# Altium PCB waffling80-MX-north.PcbDoc (part 1 of 3) (continued)
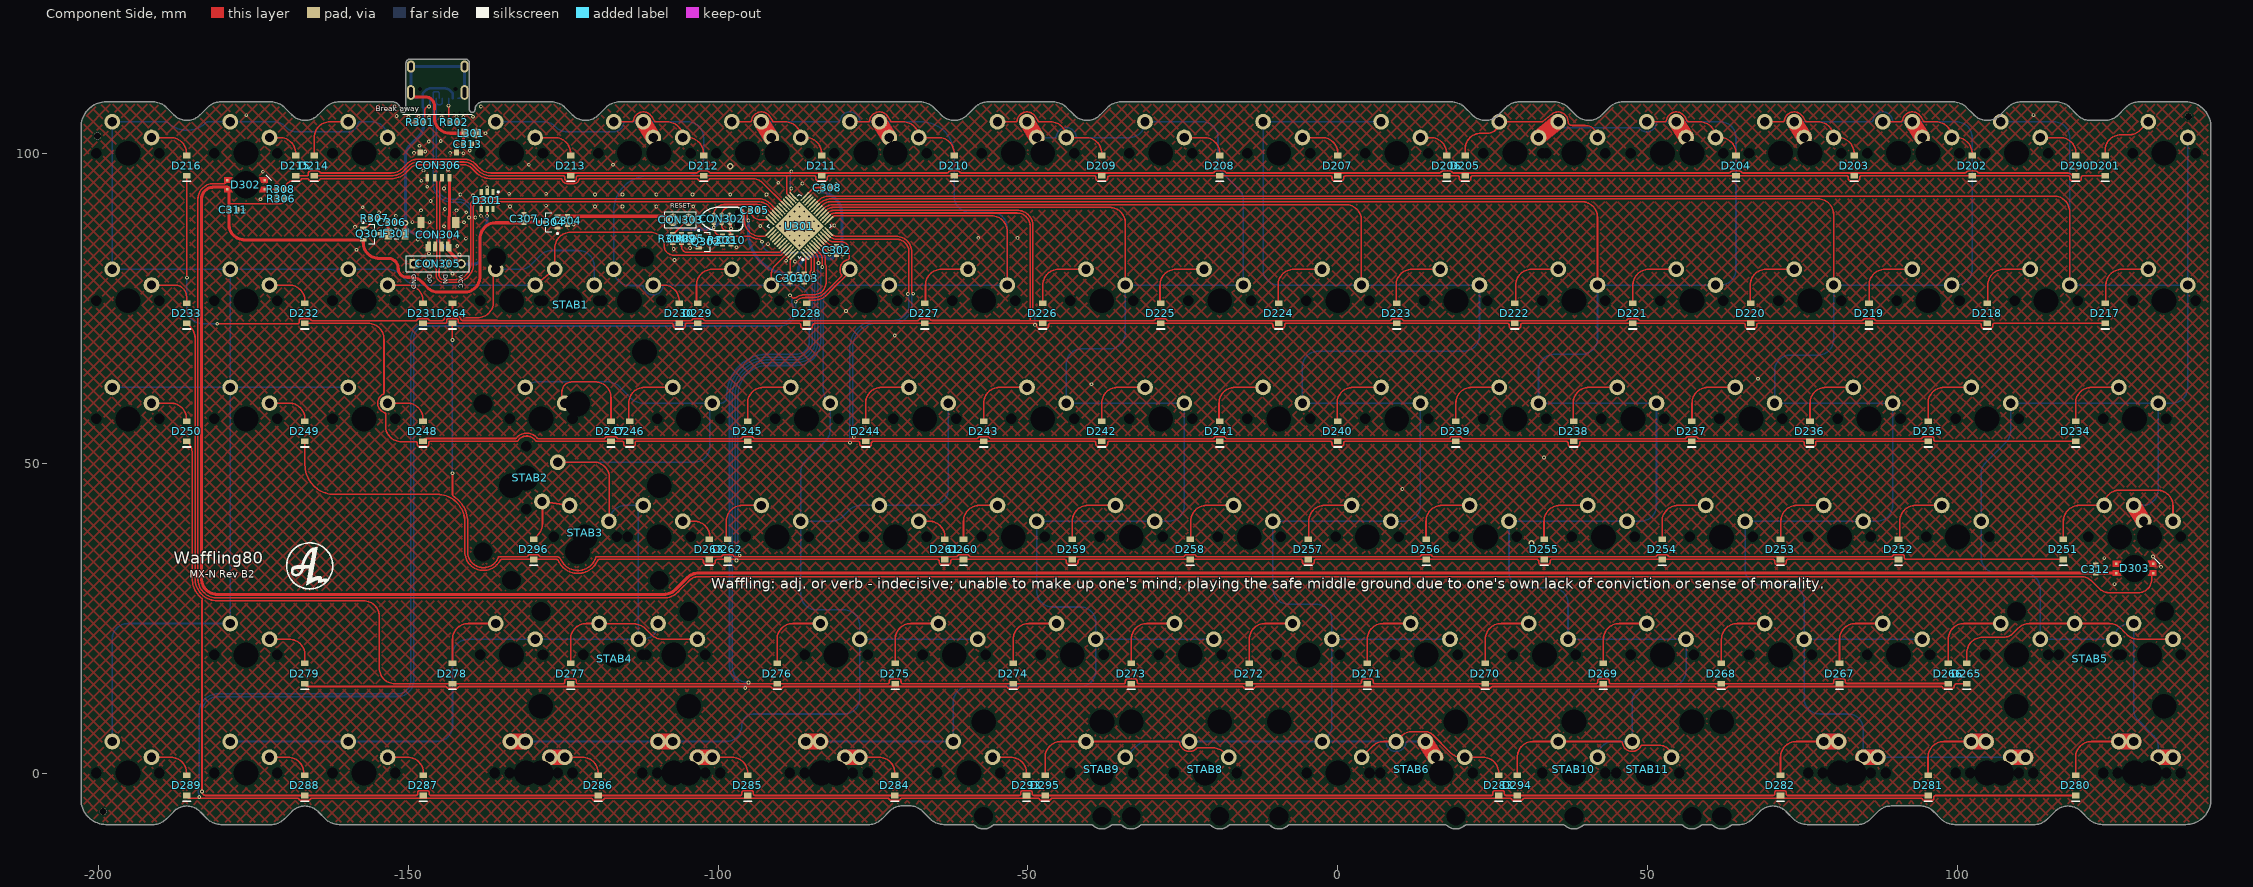
[diagram p0: Component Side view]
## Components (designator, comment, footprint, x,y, rotation, side; value= is the part's Value field where it differs from the comment) (continued)
S215 "MX" MX-switch#2 -176.213,100.012 r180 bottom locked
S216 "MX" MX-switch#2 -195.262,100.012 r180 bottom locked
S217 "MX" "MX-switch - switched pol"#1 133.349,76.2 r180 bottom locked
S218 "MX" "MX-switch - switched pol"#1 114.299,76.2 r180 bottom locked
S219 "MX" "MX-switch - switched pol"#1 95.249,76.2 r180 bottom locked
S220 "MX" "MX-switch - switched pol"#1 76.199,76.2 r180 bottom locked
S221 "MX" "MX-switch - switched pol"#1 57.149,76.2 r180 bottom locked
S222 "MX" "MX-switch - switched pol"#1 38.099,76.2 r180 bottom locked
S223 "MX" "MX-switch - switched pol"#1 19.049,76.2 r180 bottom locked
S224 "MX" "MX-switch - switched pol"#1 -0.001,76.2 r180 bottom locked
S225 "MX" "MX-switch - switched pol"#1 -19.051,76.2 r180 bottom locked
S226 "MX" "MX-switch - switched pol"#1 -38.101,76.2 r180 bottom locked
S227 "MX" "MX-switch - switched pol"#1 -57.151,76.2 r180 bottom locked
S228 "MX" "MX-switch - switched pol"#1 -76.201,76.2 r180 bottom locked
S229 "MX" "MX-switch - switched pol"#1 -95.251,76.2 r180 bottom locked
S230 "MX" MX-switch#2 -114.301,76.2 r180 bottom locked
S231 "MX" MX-switch#2 -157.162,76.2 r180 bottom locked
S232 "MX" MX-switch#2 -176.213,76.2 r180 bottom locked
S233 "MX" MX-switch#2 -195.262,76.2 r180 bottom locked
S234 "MX" "MX-switch - switched pol"#1 128.587,57.15 r180 bottom locked
S235 "MX" "MX-switch - switched pol"#1 104.774,57.15 r180 bottom locked
S236 "MX" "MX-switch - switched pol"#1 85.724,57.15 r180 bottom locked
S237 "MX" "MX-switch - switched pol"#1 66.674,57.15 r180 bottom locked
S238 "MX" "MX-switch - switched pol"#1 47.624,57.15 r180 bottom locked
S239 "MX" "MX-switch - switched pol"#1 28.574,57.15 r180 bottom locked
S240 "MX" "MX-switch - switched pol"#1 9.524,57.15 r180 bottom locked
S241 "MX" "MX-switch - switched pol"#1 -9.526,57.15 r180 bottom locked
S242 "MX" "MX-switch - switched pol"#1 -28.576,57.15 r180 bottom locked
S243 "MX" "MX-switch - switched pol"#1 -47.626,57.15 r180 bottom locked
S244 "MX" "MX-switch - switched pol"#1 -66.676,57.15 r180 bottom locked
S245 "MX" "MX-switch - switched pol"#1 -85.726,57.15 r180 bottom locked
S246 "MX" "MX-switch - switched pol"#1 -104.776,57.15 r180 bottom locked
S247 "MX" "MX-switch - 1.5U" -128.588,57.15 r180 bottom locked
S248 "MX" MX-switch#2 -157.162,57.15 r180 bottom locked
S249 "MX" MX-switch#2 -176.213,57.15 r180 bottom locked
S250 "MX" MX-switch#2 -195.262,57.15 r180 bottom locked
S251 "MX" "MX-switch - CAPS" 126.206,38.1 r180 bottom locked
S252 "MX" "MX-switch - switched pol"#1 100.012,38.1 r180 bottom locked
S253 "MX" "MX-switch - switched pol"#1 80.962,38.1 r180 bottom locked
S254 "MX" "MX-switch - switched pol"#1 61.912,38.1 r180 bottom locked
S255 "MX" "MX-switch - switched pol"#1 42.862,38.1 r180 bottom locked
S256 "MX" "MX-switch - switched pol"#1 23.812,38.1 r180 bottom locked
S257 "MX" "MX-switch - switched pol"#1 4.762,38.1 r180 bottom locked
S258 "MX" "MX-switch - switched pol"#1 -14.288,38.1 r180 bottom locked
S259 "MX" "MX-switch - switched pol"#1 -33.338,38.1 r180 bottom locked
S260 "MX" "MX-switch - switched pol"#1 -52.388,38.1 r180 bottom locked
S261 "MX" MX-switch#2 -71.438,38.1 r180 bottom locked
S262 "MX" "MX-switch - switched pol"#1 -90.488,38.1 r180 bottom locked
S263 "MX" MX-switch#2 -109.538,38.1 r180 bottom locked
S264 "MX" "MX-switch - switched pol"#1 -123.826,76.2 r180 bottom locked
S264_1 "MX" MX-switch#2 -133.351,76.2 r180 bottom locked
S265 "MX" "MX-switch - switched pol"#1 121.443,19.05 r180 bottom locked
S265_1 "MX" MX-switch#2 130.968,19.05 r180 bottom locked
S266 "MX" "MX-switch - switched pol"#1 109.539,19.05 r180 bottom locked
S267 "MX" "MX-switch - switched pol"#1 90.487,19.05 r180 bottom locked
S268 "MX" "MX-switch - switched pol"#1 71.437,19.05 r180 bottom locked
S269 "MX" "MX-switch - switched pol"#1 52.387,19.05 r180 bottom locked
S270 "MX" "MX-switch - switched pol"#1 33.337,19.05 r180 bottom locked
S271 "MX" "MX-switch - switched pol"#1 14.287,19.05 r180 bottom locked
S272 "MX" "MX-switch - switched pol"#1 -4.763,19.05 r180 bottom locked
S273 "MX" "MX-switch - switched pol"#1 -23.813,19.05 r180 bottom locked
S274 "MX" "MX-switch - switched pol"#1 -42.862,19.05 r180 bottom locked
S275 "MX" "MX-switch - switched pol"#1 -61.913,19.05 r180 bottom locked
S276 "MX" "MX-switch - switched pol"#1 -80.963,19.05 r180 bottom locked
S277 "MX" "MX-switch - switched pol"#1 -116.682,19.05 r180 bottom locked
S277_1 "MX" MX-switch#2 -107.157,19.05 r180 bottom locked
S278 "MX" "MX-switch - switched pol"#1 -133.351,19.05 r180 bottom locked
S279 "MX" MX-switch#2 -176.213,19.05 r180 bottom locked
S280 "MX" "MX-switch - 1.5u MOD-L" 128.587,0 r180 bottom locked
S281 "MX" "MX-switch - 1u MOD-L" 104.775,0 r180 bottom locked
S282 "MX" "MX-switch - 1.5u MOD-L" 80.962,0 r180 bottom locked
S283 "MX" MX-switch#2 16.676,0 r180 bottom locked
S283_1 "MX" MX-switch#2 0.032,0 r180 bottom locked
S283_2 "MX" "MX-switch - switched pol"#2 11.938,0 r180 bottom locked
S284 "MX" "MX-switch - 1.5u MOD-R" -80.962,0 r180 bottom locked
S285 "MX" "MX-switch - 1u MOD-R" -104.775,0 r180 bottom locked
S286 "MX" "MX-switch - 1.5u MOD-R" -128.588,0 r180 bottom locked
S287 "MX" MX-switch#2 -157.162,0 r180 bottom locked
S288 "MX" MX-switch#2 -176.213,0 r180 bottom locked
S289 "MX" MX-switch#2 -195.262,0 r180 bottom locked
S290 "MX" MX-switch#2 109.537,100.012 r180 bottom locked
S293 "MX" MX-switch#2 -59.532,0 r180 bottom locked
S294 "MX" MX-switch#2 38.1,0 r180 bottom locked
S294_2 "MX" MX-switch#2 50.038,0 r180 bottom locked
S295 "MX" MX-switch#2 -38.1,0 r180 bottom locked
S295_2 "MX" MX-switch#2 -21.4,0 r180 bottom locked
S296 "MX" "MX-switch - switched pol"#1 -121.439,38.094 r180 bottom locked
S296_1 "MX" MX-switch#2 -130.968,47.624 r90 bottom locked
STAB1 "Plug" "Stab 2u" -123.826,76.2 r0 top locked
STAB2 "Plug" "Stab 2u" -130.968,47.624 r90 top locked
STAB3 "Plug" "Stab 2u" -121.444,38.099 r180 top locked
STAB4 "Plug" "Stab 2u" -116.682,19.05 r0 top locked
STAB5 "Plug" "Stab 2u" 121.443,19.05 r0 top locked
STAB6 "Plug" "Stab 6.25U" 11.938,0 r180 top locked
STAB8 "Plug" "Stab 2u" -21.4,0 r180 top
STAB9 "Plug" "Stab 3u" -38.1,0 r180 top
STAB10 "Plug" "Stab 3u" 38.1,0 r180 top locked
STAB11 "Plug" "Stab 2u" 50.038,0 r180 top locked
U301 "STM32F072/F303_LQFP48" "STM32 - COMBO 7X7MM" -86.894,88.262 r45 top
U304 "XC6206P332MR" SOT-23-3 -127.119,88.9 r0 top

## Footprints (in the part's own frame and the unit in brackets; to place one, negate y for a bottom-side part, rotate by r counter-clockwise, add the part's x,y. Pads: shape width x height; smd on the part's side, far side on the other; paste and mask are expansions set on the pad)
C0603[1608] [mm] "Chip Resistor, 2-Leads, Body 1,57x0,80mm, IPC Medium Density"
  rect 0.8x0.85 smd: 1(-0.65,0) 2(0.65,0)
  body extent -0.83,-0.43 0.82,0.43, height 0.5
C1206[3216] [mm]
  rect 1.2x1.8 smd: 1(-1.35,0) 2(1.35,0)
  silkscreen extent -0.35,-0.8 0.35,0.8, body extent -1.6,-0.9 1.6,0.9, height 1.2
HDR1X2 [mm] "Connector; Header; 2 Position"
  round 2 hole 0.9 mask+0.102: 1(0,0) 2(2.54,0)
  silkscreen extent -1.27,-1.27 3.81,1.27
HDR1X4 [mm] "Connector; Header; 4 Position"
  round 1.5 hole 0.9 mask+0.102: 1(0,0) 2(2.54,0) 3(5.08,0)
  rect 1.5x1.5 hole 0.9 mask+0.102: 4(7.62,0)
  silkscreen extent -1.27,-1.27 8.89,1.27
L0805 [mm] "based on Sunlord-GZ2012D101TF_C1015 datasheet"
  rect 1.16x1.47 smd: 1(-0.92,0) 2(0.92,0)
  body extent -1.15,-0.72 1.15,0.72, height 1.02
"Molex 781710004" [mm]
  rect 0.6x1.2 smd: 1(-1.8,2.2) 2(-0.6,2.2) 3(0.6,2.2) 4(1.8,2.2)
  rect 0.85x1 smd: 5(-2.94,-1.887) 5(2.94,-1.887)
  body extent -3.3,-2.05 3.3,2.48, height 1.5
MX-switch#1 [mm]
  round 2.54 hole 1.5 mask+0.102: 1(-3.81,2.54) 2(2.54,5.08)
  round 1 hole 1.7 unplated: ""(-5.08,0)
  round 1 hole 4 unplated: ""(0,0)
MX-switch#2 [mm]
  round 2.54 hole 1.5 mask+0.102: 1(-3.81,2.54) 2(2.54,5.08)
  round 1 hole 1.7 unplated: ""(-5.08,0) ""(5.08,0)
  round 1 hole 4 unplated: ""(0,0)
"MX-switch - 1.5U" [mm]
  round 2.54 hole 1.5 mask+0.102: 1(-3.81,2.54) 2(2.54,5.08)
  round 1 hole 1.7 unplated: ""(-5.08,0) ""(5.08,0)
  round 1 hole 4 unplated: ""(0,0)
  round 1 on Mech14: ""(0,0)
"MX-switch - 1.5u MOD-L" [mm]
  round 2.54 hole 1.5 mask+0.102: 1(-6.191,2.54) 1(-3.81,2.54) 2(0.159,5.08) 2(2.54,5.08)
  round 1 hole 1.7 unplated: ""(-7.461,0) ""(-5.08,0) ""(2.699,0) ""(5.08,0)
  round 1 on Mech14: ""(-4.763,0) ""(-2.381,0) ""(0,0) ""(4.763,0)
  round 1 hole 4 unplated: ""(-2.381,0) ""(0,0)
"MX-switch - 1.5u MOD-R" [mm]
  round 2.54 hole 1.5 mask+0.102: 1(-3.81,2.54) 1(-1.429,2.54) 2(2.54,5.08) 2(4.921,5.08)
  round 1 hole 1.7 unplated: ""(-5.08,0) ""(-2.699,0) ""(5.08,0) ""(7.461,0)
  round 1 on Mech14: ""(-2.381,0) ""(0,0) ""(2.381,0) ""(4.763,0)
  round 1 hole 4 unplated: ""(0,0) ""(2.381,0)
"MX-switch - 1u MOD-L" [mm]
  round 2.54 hole 1.5 mask+0.102: 1(-6.191,2.54) 1(-3.81,2.54) 2(0.159,5.08)
  round 2.54 hole 1.499 mask+0.102: 2(2.54,5.08)
  round 1 hole 1.7 unplated: ""(-7.461,0) ""(-5.08,0) ""(2.699,0) ""(5.08,0)
  round 1 hole 4 unplated: ""(-2.381,0) ""(0,0)
  round 1 on Mech14: ""(-2.381,0) ""(0,0) ""(2.381,0)
"MX-switch - 1u MOD-R" [mm]
  round 2.54 hole 1.5 mask+0.102: 1(-3.81,2.54) 1(-1.429,2.54) 2(2.54,5.08) 2(4.921,5.08)
  round 1 hole 1.7 unplated: ""(-5.08,0) ""(-2.699,0) ""(5.08,0) ""(7.461,0)
  round 1 on Mech14: ""(-4.763,0) ""(-2.381,0) ""(0,0) ""(2.381,0)
  round 1 hole 4 unplated: ""(0,0) ""(2.381,0)
"MX-switch - CAPS" [mm]
  round 2.54 hole 1.5 mask+0.102: 1(-8.572,2.54) 1(2.54,5.08) 2(-3.81,2.54) 2(-2.222,5.08)
  round 1 hole 1.7 unplated: ""(-9.842,0) ""(5.08,0)
  round 1 hole 4 unplated: ""(-4.763,0) ""(0,0)
  round 1 on Mech14: ""(-4.763,0) ""(0,0)
"MX-switch - switched pol"#1 [mm]
  round 2.54 hole 1.5 mask+0.102: 1(2.54,5.08) 2(-3.81,2.54)
  round 1 hole 1.7 unplated: ""(-5.08,0) ""(5.08,0)
  round 1 hole 4 unplated: ""(0,0)
"MX-switch - switched pol"#2 [mm]
  round 2.54 hole 1.5 mask+0.102: 1(2.54,5.08) 2(-3.81,2.54)
  round 1 hole 4 unplated: ""(0,0)
  round 1 hole 1.7 unplated: ""(5.08,0)
R0603[1608] [mm] "Chip Resistor, 2-Leads, Body 1,57x0,80mm, IPC Medium Density"
  rect 0.8x0.85 smd: 1(-0.65,0) 2(0.65,0)
  body extent -0.83,-0.43 0.82,0.43, height 0.5
"SK6812MINI-E - shaped" [mm]
  rect 0.4x0.4 smd: 1(3,0.75) 2(3,-0.75) 3(-3,-0.75) 4(-3,0.75)
  round 1 hole 4.4 unplated: ""(0,0)
  Component Side region: -3.5,0.304 -3.5,1.195 -2.157,1.195 -2.345,0.764 -2.447,0.304 -2.447,0.304 -2.449,0.304
  Component Side region: 2.447,0.304 2.345,0.764 2.157,1.195 2.157,1.195 3.5,1.195 3.5,0.304
  Component Side region: 2.157,-1.195 3.5,-1.195 3.5,-0.304 2.449,-0.304 2.447,-0.304 2.345,-0.764 2.157,-1.195
  Component Side region: -3.25,-1.195 -3.5,-0.945 -3.5,-0.304 -2.449,-0.304 -2.447,-0.304 -2.345,-0.764 -2.157,-1.195 -2.157,-1.195
  silkscreen extent -4.06,-1.65 -3.17,-0.76, body extent -2.94,-1.4 2.94,1.4, height 0.94
SOD-123 [mm]
  rect 0.91x1.22 smd: 1(1.635,0) 2(-1.635,0)
  silkscreen extent -2.54,-0.64 -2.54,0.63, body extent -1.87,-0.85 1.88,0.85, height 1.2
SOT-23-3 [mm] "3.3v regulator, used in Windsond S2 proto 1"
  rect 1x0.55 smd: 1(1.2,-0.95) 2(1.2,0.95) 3(-1.2,0)
  silkscreen extent -0.7,-1.95 1.32,1.55, body extent -1.1,-1.5 1.45,1.5, height 1
SOT-23-6 [mm]
  rect 1x0.55 smd: 1(1.375,-0.95) 2(1.375,0) 3(1.375,0.95) 4(-1.375,0.95) 5(-1.375,0) 6(-1.375,-0.95)
  silkscreen extent -0.46,-1.93 1.5,1.55, body extent -1.47,-1.49 1.37,1.44, height 1.05
"Stab 2u" [mil]
  round 60 hole 157.01 unplated: ""(-470,-325) ""(470,-325)
  round 60 hole 120 unplated: ""(-470,275) ""(470,275)
  round 39.37 on Mech13: ""(0,0) ""(0,0)
"Stab 3u" [mil]
  round 60 hole 157.01 unplated: ""(-750,-325) ""(750,-325)
  round 60 hole 120 unplated: ""(-750,275) ""(750,275)
  round 39.37 on Mech13: ""(0,0) ""(0,0)
"Stab 6.25U" [mil]
  round 60 hole 157.01 unplated: ""(-1968.5,-325) ""(1968.5,-325)
  round 60 hole 120 unplated: ""(-1968.5,275) ""(1968.5,275)
  round 39.37 on Mech13: ""(0,0)
"STM32 - COMBO 7X7MM" [mm] "LQFP48, 7x7mm"
  oval 0.3x1.45 smd paste-5: 1(-2.75,-4.225) 2(-2.25,-4.225) 3(-1.75,-4.225) 4(-1.25,-4.225) 5(-0.75,-4.225) 6(-0.25,-4.225) 7(0.25,-4.225) 8(0.75,-4.225) 9(1.25,-4.225) 10(1.75,-4.225) 11(2.25,-4.225) 12(2.75,-4.225) 25(2.75,4.225) 26(2.25,4.225) 27(1.75,4.225) 28(1.25,4.225) 29(0.75,4.225) 30(0.25,4.225) 31(-0.25,4.225) 32(-0.75,4.225) 33(-1.25,4.225) 34(-1.75,4.225) 35(-2.25,4.225) 36(-2.75,4.225)
  oval 0.25x0.8 smd: 1(-2.75,-3.4) 2(-2.25,-3.4) 3(-1.75,-3.4) 4(-1.25,-3.4) 5(-0.75,-3.4) 6(-0.25,-3.4) 7(0.25,-3.4) 8(0.75,-3.4) 9(1.25,-3.4) 10(1.75,-3.4) 11(2.25,-3.4) 12(2.75,-3.4) 25(2.75,3.4) 26(2.25,3.4) 27(1.75,3.4) 28(1.25,3.4) 29(0.75,3.4) 30(0.25,3.4) 31(-0.25,3.4) 32(-0.75,3.4) 33(-1.25,3.4) 34(-1.75,3.4) 35(-2.25,3.4) 36(-2.75,3.4)
  oval 0.8x0.25 smd: 13(3.4,-2.75) 14(3.4,-2.25) 15(3.4,-1.75) 16(3.4,-1.25) 17(3.4,-0.75) 18(3.4,-0.25) 19(3.4,0.25) 20(3.4,0.75) 21(3.4,1.25) 22(3.4,1.75) 23(3.4,2.25) 24(3.4,2.75) 37(-3.4,2.75) 38(-3.4,2.25) 39(-3.4,1.75) 40(-3.4,1.25) 41(-3.4,0.75) 42(-3.4,0.25) 43(-3.4,-0.25) 44(-3.4,-0.75) 45(-3.4,-1.25) 46(-3.4,-1.75) 47(-3.4,-2.25) 48(-3.4,-2.75)
  oval 1.45x0.3 smd paste-5: 13(4.225,-2.75) 14(4.225,-2.25) 15(4.225,-1.75) 16(4.225,-1.25) 17(4.225,-0.75) 18(4.225,-0.25) 19(4.225,0.25) 20(4.225,0.75) 21(4.225,1.25) 22(4.225,1.75) 23(4.225,2.25) 24(4.225,2.75) 37(-4.225,2.75) 38(-4.225,2.25) 39(-4.225,1.75) 40(-4.225,1.25) 41(-4.225,0.75) 42(-4.225,0.25) 43(-4.225,-0.25) 44(-4.225,-0.75) 45(-4.225,-1.25) 46(-4.225,-1.75) 47(-4.225,-2.25) 48(-4.225,-2.75)
  rect 5.6x5.6 smd: 47(0,0)
  silkscreen extent -3.65,-4.35 3.65,3.65, body extent -3.52,-3.52 3.52,3.52, height 0.5
TC2030-IDC-NL [mm] "Tag-Connect 6-Pin with No Legs (PN# TC2030-IDC-NL)"
  round 0.9 hole 0.995 unplated: 0(-2.54,0) 0(2.54,-1.016) 0(2.54,1.016)
  round 0.79 smd paste-0.39: 1(-1.27,-0.635) 2(-1.27,0.635) 3(0,-0.635) 4(0,0.635) 5(1.35,-0.635) 6(1.27,0.635)
  silkscreen extent -3.43,-1.91 3.43,1.9
TYPE-C-31-M-12 [mm]
  rect 0.6x1.45 smd: A1B12(-3.25,0) A4B9(-2.45,0) B1A12(3.25,0) B4A9(2.45,0)
  rect 0.3x1.45 smd: A5(-1.25,0) A6(-0.25,0) A7(0.25,0) A8(1.25,0) B5(1.75,0) B6(0.75,0) B7(-0.75,0) B8(-1.75,0)
  oval 1x1.6 / inner oval 1x1.6 / far side oval 1.3x2 hole 0.6 slot 1.2 at 90 deg: S1(-4.32,-5.095) S1(4.32,-5.095)
  oval 1x2.1 / inner oval 1x2.1 / far side oval 1.3x2.4 hole 0.6 slot 1.7 at 90 deg: S1(-4.32,-0.915) S1(4.32,-0.915)
  round 0 hole 0.65 unplated: ""(-2.89,-1.445) ""(2.89,-1.445)
  body extent -4.48,-7.72 4.46,0.18, height 3.21
UDB_combo_JST_MOLEX [mm]
  rect 0.6x1.2 smd: 1(-1.8,2.2) 2(-0.6,2.2) 3(0.6,2.2) 4(1.8,2.2)
  rect 0.6x1.55 smd: 1(-1.5,2.021) 2(-0.5,2.021) 3(0.5,2.021) 4(1.5,2.021)
  rect 0.85x1 smd: 5(-2.94,-1.887) 5(2.94,-1.887)
  rect 1.2x1.8 smd: 5(-2.8,-1.854) 5(2.8,-1.854)
  body extent -3.01,-2.62 2.99,2.33, height 2.96

## Part data
C301 C302 C303 C304 C305 C308 C311 C312 C313: library part Cap, "Capacitor", LCSC MFG=YAGEO, LCSC Part #=C14663, MRF.Part=CC0603KRX7R9BB104, Version="0603 imperial"
C306 C309: library part Cap, "Capacitor", LCSC MFG="Samsung Electro-Mechanics", LCSC Part #=C19666, MRF.Part=CL10A475KO8NNNC, Version="0603 imperial"
C307: library part Cap, "Capacitor", LCSC MFG="Samsung Electro-Mechanics", LCSC Part #=C15849, MRF.Part=CL10A105KB8NNNC, Version="0603 imperial"
C310: library part Cap, "Capacitor", LCSC MFG="Samsung Electro-Mechanics", LCSC Part #=C1623, MRF.Part=CL10B474KA8NNNC, Version="0603 imperial"
CON301: LCSC MFG="Korean Hroparts Elec", LCSC Part #=C165948, MRF.Part=TYPE-C-31-M-12
CON302: library part "Header 3X2", "Header, 3-Pin, Dual row"
CON303: "Header, 2-Pin"
CON304: "JST for USB daughter board", LCSC MFG="JST Sales America", LCSC Part #=C160404, MRF.Part=SM04B-SRSS-TB(LF)(SN)
CON305: "Header, 4-Pin"
CON306: "JST for USB daughter board", LCSC MFG=MOLEX, LCSC Part #=C588524, MRF.Part=781710004
D201 D202 D203 D204 D205 D206 D207 D208 D209 D210 D211 D212 D213 D214 D215 D216 D217 D218 D219 D220 D221 D222 D223 D224 D225 D226 D227 D228 D229 D230 D231 D232 D233 D234 D235 D236 D237 D238 D239 D240 D241 D242 D243 D244 D245 D246 D247 D248 D249 D250 D251 D252 D253 D254 D255 D256 D257 D258 D259 D260 D261 D262 D263 D264 D265 D266 D267 D268 D269 D270 D271 D272 D273 D274 D275 D276 D277 D278 D279 D280 D281 D282 D283 D284 D285 D286 D287 D288 D289 D290 D293 D294 D295 D296: "Default Diode", LCSC MFG=ST(Semtech), LCSC Part #=C81598, MRF.Part=1N4148W, Version=SOD-123
D301: LCSC MFG="ProTek Devices", LCSC Part #=C85364, MRF.Part=SRV05-4-P-T7
D302 D303: LCSC MFG=TONYU, LCSC Part #=C524051, MRF.Part=DY-S352818/RGBC/6812-2T
F301: "Thermal Fuse", LCSC MFG="Shenzhen JDT Fuse", LCSC Part #=C135338, MRF.Part=ASMD1206-050
L301: LCSC MFG=Sunlord, LCSC Part #=C1015, MRF.Part=GZ2012D101TF, Version="0806 imperial"
Q301: "P-Channel Power MOSFET", LCSC MFG="Vishay Intertech", LCSC Part #=C10487, MRF.Part=SI2301CDS-T1-GE3, Version=SOT23-3
Q302: library part MOSFET-N, "N-Channel MOSFET", LCSC MFG="Changjiang Electronics Tech (CJ)", LCSC Part #=C8545, MRF.Part=2N7002
R301 R302: "Resistor", LCSC MFG="Uniroyal Elec", LCSC Part #=C23186, MRF.Part=0603WAF5101T5E, Version="0603 imperial"
R303 R304 R306 R307: "Resistor", LCSC MFG="Uniroyal Elec", LCSC Part #=C25804, MRF.Part=0603WAF1002T5E, Version="0603 imperial"
R305: "Resistor", LCSC MFG="Uniroyal Elec", LCSC Part #=C25803, MRF.Part=0603WAF1003T5E, Version="0603 imperial"
R308: "Resistor", LCSC MFG="UNI-ROYAL(Uniroyal Elec)", LCSC Part #=C23179, MRF.Part=0603WAF4700T5E, Version="0603 imperial"
S201 S202 S202_1 S203 S203_1 S204 S204_1 S205 S205_1 S206 S207 S208 S209 S209_1 S210 S210_1 S211 S211_1 S212 S212_1 S213 S214 S215 S216 S217 S218 S219 S220 S221 S222 S223 S224 S225 S226 S227 S228 S229 S230 S231 S232 S233 S235 S236 S237 S238 S239 S240 S241 S242 S243 S244 S245 S246 S247 S248 S249 S250 S251 S252 S253 S254 S255 S256 S257 S258 S259 S260 S261 S262 S263 S264 S264_1 S265 S265_1 S266 S267 S268 S269 S270 S271 S272 S273 S274 S275 S276 S277 S277_1 S278 S279 S280 S281 S282 S283 S283_1 S283_2 S284 S285 S286 S287 S288 S289 S290 S293 S294 S294_2 S295 S295_2 S296 S296_1: library part SW-PB, "Switch"
S234: library part SW-PB, "TAB"
U301: LCSC MFG=Geehy, LCSC Part #=C915660, MRF.Part=APM32F072CBT6
U304: library part "SOT23 LDO", LCSC MFG="Torex Semicon", LCSC Part #=C5446, MRF.Part=XC6206P332MR

## Free pads (board coordinates)
  round 1.152 hole 1.152 unplated paste+0.148 mask+0.148: ""(-200.147,102.799) ""(-199.264,-6.223) ""(137.287,105.918)
  round 0 hole 0.3 unplated: ""(-150.506,106.598) ""(-149.617,106.598) ""(-148.728,106.598) ""(-148.06,106.598) ""(-146.696,106.598) ""(-144.918,106.598) ""(-144.029,106.598) ""(-142.632,106.598) ""(-141.743,106.598) ""(-140.854,106.598) ""(-139.965,106.598)

## Via types
v1: diameter 0.6, hole 0.3, Component Side to Bottom Layer, tented both sides, 141 vias
v2: diameter 0.6, hole 0.3, Component Side to Bottom Layer, tented bottom, 25 vias
v3: diameter 1, hole 0.5, Component Side to Bottom Layer, tented both sides, 3 vias

## Nets (pads, with @x,y where several pads share a name; then routed paths per layer and width w, separated by ;. In a path a pad name is that pad's centre, name@x,y a point inside that pad or via, vN(x,y) a via of type N, cw(c..) or ccw(c..) an arc to the next point about the centre after c; other vN are vias at no path point)
BOOT0: C309.1 CON303.1 R304.1 U301.44 | length 23.5
  Component Side w0.254: CON303.1@-104.775,89.281 ccw(c-104.775,88.938) -105.017,89.181 R304.1@-107.315,86.883 -106.084,85.652 ccw(c-105.918,85.817) C309.1@-105.918,85.583 -105.918,84.933 ccw(c-105.005,84.933) -105.005,84.02 -90.228,84.02 ccw(c-90.228,84.467) -89.912,84.151 ; -89.912,84.151 -89.781,84.282 -89.781,84.302 -89.351,84.731 U301.44@-89.351,84.744
col1: S201.2 S217.2 S218.2 S234.2 S235.2 S251.2 S252.2 S265.2 S265_1.2 S266.2 S280.1 S290.2 U301.20 | length 462.4
  Component Side w0.254: U301.20@-84.437,91.78 -83.849,92.367 cw(c-82.053,90.571) -82.053,93.111 115.569,93.111 cw(c115.569,90.571) 118.109,90.571 S218.2@118.109,78.74
  Component Side w2.54: S251.2@128.428,43.18 130.033,40.651 S251.2@130.04,40.64 ; S280.1@132.397,2.54 S280.1@134.778,2.54
  Bottom Layer w0.254: S290.2@106.998,105.092 115.569,105.092 cw(c115.569,102.552) 118.109,102.552 S218.2@118.109,78.74 S217.2@137.159,78.74 ; S251.2@130.016,40.64 cw(c130.016,42.227) 128.428,42.227 S251.2@128.428,43.18 129.857,43.18 ccw(c129.857,45.72) 132.397,45.72 S234.2@132.397,59.69 ; S280.1@132.397,2.54 132.397,4.219 ccw(c129.857,4.219) 131.653,6.015 129.172,8.496 cw(c130.968,10.292) 128.428,10.292 S265_1.2@128.428,24.13 127.793,24.13 ccw(c127.793,21.59) S265.2@125.253,21.59 S266.2@113.349,21.59 113.349,29.73 ccw(c110.809,29.73) 110.809,32.27 106.362,32.27 cw(c106.362,34.81) 103.822,34.81 S252.2@103.822,40.64 103.822,48.3 cw(c106.362,48.3) 104.566,50.096 107.841,53.371 ccw(c106.044,55.167) 108.584,55.167 S235.2@108.584,59.69 S234.2@132.397,59.69 ; S201.2@137.159,102.552 S217.2@137.159,78.74 ; S234.2@132.397,59.69 134.619,59.69 ccw(c134.619,62.23) 137.159,62.23 S217.2@137.159,78.74
  Bottom Layer w2.54: S251.2@128.428,43.18 130.033,40.651 S251.2@130.04,40.64 ; S280.1@132.397,2.54 S280.1@134.778,2.54
col2: S202.2 S202_1.2 S203.2 S203_1.2 S219.2 S220.2 S236.2 S237.2 S253.2 S254.2 S267.2 S268.2 S281.1 S282.1 U301.19 | length 459.2
  Component Side w0.254: U301.19@-84.083,91.426 -83.596,91.913 cw(c-81.8,90.117) -81.8,92.657 77.469,92.657 cw(c77.469,90.117) 80.009,90.117 S220.2@80.009,78.74
  Component Side w2.54: S203_1.2@73.659,105.092 S203.2@75.248,102.552 ; S282.1@84.772,2.54 S282.1@87.154,2.54 ; S202_1.2@92.709,105.092 S202.2@94.297,102.552 ; S281.1@108.585,2.54 S281.1@110.966,2.54
  Bottom Layer w0.254: S203_1.2@73.659,105.092 86.115,105.092 ccw(c86.114,105.346) 86.366,105.311 cw(c87.947,105.092) 89.53,105.31 ccw(c89.781,105.346) 89.78,105.093 S202_1.2@92.709,105.092 ; S282.1@84.772,2.54 84.772,7.136 ccw(c82.383,7.136) 82.383,9.525 77.787,9.525 cw(c77.787,12.065) 75.247,12.065 S268.2@75.247,21.59 ; S282.1@87.154,2.54 S281.1@108.585,2.54 ; S267.2@94.297,21.59 S268.2@75.247,21.59 ; S202.2@94.297,102.552 S202_1.2@92.709,105.092 ; S268.2@75.247,21.59 75.247,27.821 ccw(c72.707,27.821) 72.707,30.361 68.262,30.361 cw(c68.262,32.901) 65.722,32.901 S254.2@65.722,40.64 S253.2@84.772,40.64 86.994,40.64 ccw(c86.994,43.18) 89.534,43.18 S236.2@89.534,59.69 S237.2@70.484,59.69 70.484,64.897 cw(c73.024,64.897) 73.024,67.437 77.469,67.437 ccw(c77.469,69.977) 80.009,69.977 S220.2@80.009,78.74 S219.2@99.059,78.74 99.822,78.74 ccw(c99.822,81.28) 102.362,81.28 102.362,102.552 ccw(c99.822,102.552) 99.822,105.092 S202_1.2@92.709,105.092
  Bottom Layer w2.54: S203_1.2@73.659,105.092 S203.2@75.248,102.552 ; S282.1@84.772,2.54 S282.1@87.154,2.54 ; S202_1.2@92.709,105.092 S202.2@94.297,102.552 ; S281.1@108.585,2.54 S281.1@110.966,2.54
col3: S204.2 S204_1.2 S205.2 S205_1.2 S221.2 S222.2 S238.2 S239.2 S255.2 S256.2 S269.2 S270.2 S294.1 S294_2.2 U301.18 | length 392
  Component Side w0.254: U301.18@-83.73,91.072 -83.164,91.638 cw(c-81.8,90.273) -81.8,92.203 39.369,92.203 cw(c39.369,89.663) 41.909,89.663 S222.2@41.909,78.74
  Component Side w2.54: S205.2@32.384,102.552 S205_1.2@35.559,105.092 ; S204_1.2@54.609,105.092 S204.2@56.197,102.552
  Bottom Layer w0.254: S205_1.2@35.559,105.092 ccw(c36.503,105.092) 36.503,104.149 48.436,104.149 cw(c48.435,103.895) 48.629,104.06 ccw(c49.847,105.092) 51.048,104.038 cw(c51.239,103.872) 51.059,104.05 51.08,104.072 ; S294.1@41.91,2.54 cw(c44.45,2.54) 44.45,5.08 S294_2.2@47.498,5.08 47.498,11.421 cw(c50.038,11.421) 50.038,13.961 53.657,13.961 ccw(c53.657,16.501) 56.197,16.501 S269.2@56.197,21.59 S270.2@37.147,21.59 37.147,27.367 ccw(c34.607,27.367) 34.607,29.907 30.162,29.907 cw(c30.162,32.447) 27.622,32.447 S256.2@27.622,40.64 S255.2@46.672,40.64 48.894,40.64 ccw(c48.894,43.18) 51.434,43.18 S238.2@51.434,59.69 S239.2@32.384,59.69 32.384,65.024 cw(c34.924,65.024) 34.924,67.564 39.369,67.564 ccw(c39.369,70.104) 41.909,70.104 S222.2@41.909,78.74 S221.2@60.959,78.74 61.722,78.74 ccw(c61.722,81.28) 64.262,81.28 64.262,102.552 ccw(c61.722,102.552) 61.722,105.092 S204_1.2@54.609,105.092 ; 51.078,104.074 ccw(c49.847,105.092) 51.43,104.875 cw(c51.681,104.838) 51.68,105.092 S204_1.2@54.609,105.092 ; S204.2@56.197,102.552 S204_1.2@54.609,105.092
  Bottom Layer w2.54: S205.2@32.384,102.552 S205_1.2@35.559,105.092
col4: S206.2 S207.2 S223.2 S224.2 S240.2 S241.2 S257.2 S258.2 S271.2 S272.2 S283.2 S283_1.2 S283_2.2 S295.1 S295_2.2 U301.17 | length 404.4
  Component Side w0.254: U301.17@-83.376,90.719 -83.056,91.039 cw(c-81.382,89.364) -82.203,91.585 ccw(c-82.292,91.823) -82.2,91.586 cw(c-81.435,89.647) -81.435,91.732 1.269,91.732 cw(c1.269,89.192) 3.809,89.192 S224.2@3.809,78.74
  Component Side w2.54: S283.2@14.136,5.08 S283_2.2@15.748,2.54
  Bottom Layer w0.254: S295.1@-34.29,2.54 -32.494,4.336 cw(c-30.698,2.54) -30.698,5.08 S295_2.2@-23.94,5.08 S283_1.2@-2.54,5.08 ; S206.2@6.984,105.092 S207.2@-12.066,105.092 -12.066,81.28 ccw(c-9.526,81.28) -9.526,78.74 S224.2@3.809,78.74 S223.2@22.859,78.74 22.859,70.612 cw(c20.319,70.612) 20.319,68.072 -3.176,68.072 ccw(c-3.176,65.532) -5.716,65.532 S241.2@-5.716,59.69 S240.2@13.334,59.69 13.334,43.18 cw(c10.794,43.18) 10.794,40.64 S257.2@8.572,40.64 S258.2@-10.478,40.64 -10.478,29.783 ccw(c-7.938,29.783) -7.938,27.243 -3.493,27.243 cw(c-3.493,24.703) -0.953,24.703 S272.2@-0.953,21.59 ; S283.2@14.136,5.08 11.23,5.08 ccw(c11.231,4.826) 10.98,4.862 cw(c9.398,5.08) 9.382,3.483 cw(c9.398,5.08) 7.816,4.861 ccw(c7.565,4.826) 7.566,5.08 S283_1.2@-2.508,5.08 S283_1.2@-2.54,5.08 ; S271.2@18.097,21.59 S272.2@-0.953,21.59 ; S283_1.2@-2.54,5.08 -1.697,5.923 ccw(c-3.493,7.719) -0.953,7.719 S272.2@-0.953,21.59
  Bottom Layer w2.54: S283.2@14.136,5.08 S283_2.2@15.748,2.54
col5: S208.2 S209.2 S209_1.2 S225.2 S226.2 S242.2 S243.2 S259.2 S260.2 S273.2 S274.2 S284.2 S293.2 U301.16 | length 341.9
  Component Side w0.254: U301.16@-83.023,90.365 U301.16@-82.588,90.8 ; U301.16@-82.587,90.801 cw(c-81.435,89.647) -81.435,91.278 -36.831,91.278 cw(c-36.831,88.738) -34.291,88.738 S226.2@-34.291,78.74
  Component Side w2.54: S284.2@-85.884,5.08 S284.2@-83.502,5.08 ; S209_1.2@-50.166,105.092 S209.2@-48.578,102.553
  Bottom Layer w0.254: S284.2@-85.884,5.08 S284.2@-83.502,5.08 S293.2@-62.072,5.08 -62.072,11.421 cw(c-59.532,11.421) -59.532,13.961 -41.593,13.961 ccw(c-41.593,16.501) -39.052,16.501 S274.2@-39.052,21.59 ; S209.2@-48.579,102.552 -45.648,102.552 ccw(c-45.649,102.806) -45.398,102.77 cw(c-43.816,102.552) -42.876,103.844 ; -45.398,102.77 cw(c-43.816,102.552) -45.002,103.621 ; -42.929,103.881 cw(c-43.816,102.552) -42.233,102.77 ccw(c-41.982,102.806) -41.983,102.552 -33.656,102.552 ccw(c-33.656,105.092) S208.2@-31.116,105.092 -21.872,105.092 cw(c-21.872,102.552) -19.332,102.552 -19.332,98.599 ccw(c-16.792,98.599) -18.588,96.803 -15.984,94.2 cw(c-17.781,92.404) -15.241,92.404 S225.2@-15.241,78.74 S226.2@-34.291,78.74 -34.291,71.001 cw(c-36.831,71.001) -36.442,68.491 -41.276,68.491 ccw(c-41.276,65.951) -41.664,68.461 ccw(c-41.276,65.951) -43.816,65.951 S243.2@-43.816,59.69 S242.2@-24.766,59.69 -24.766,43.18 cw(c-27.306,43.18) -27.306,40.64 S259.2@-29.528,40.64 S260.2@-48.578,40.64 -48.578,29.329 ccw(c-46.038,29.329) -46.038,26.789 -41.593,26.789 cw(c-41.593,24.249) -40.975,26.713 cw(c-41.593,24.249) -39.052,24.249 S274.2@-39.052,21.59 ; S273.2@-20.003,21.59 S274.2@-39.052,21.59
  Bottom Layer w2.54: S209_1.2@-50.166,105.092 S209.2@-48.579,102.552